# KiCad board PC104_LibreCube_ISA16.kicad_pcb
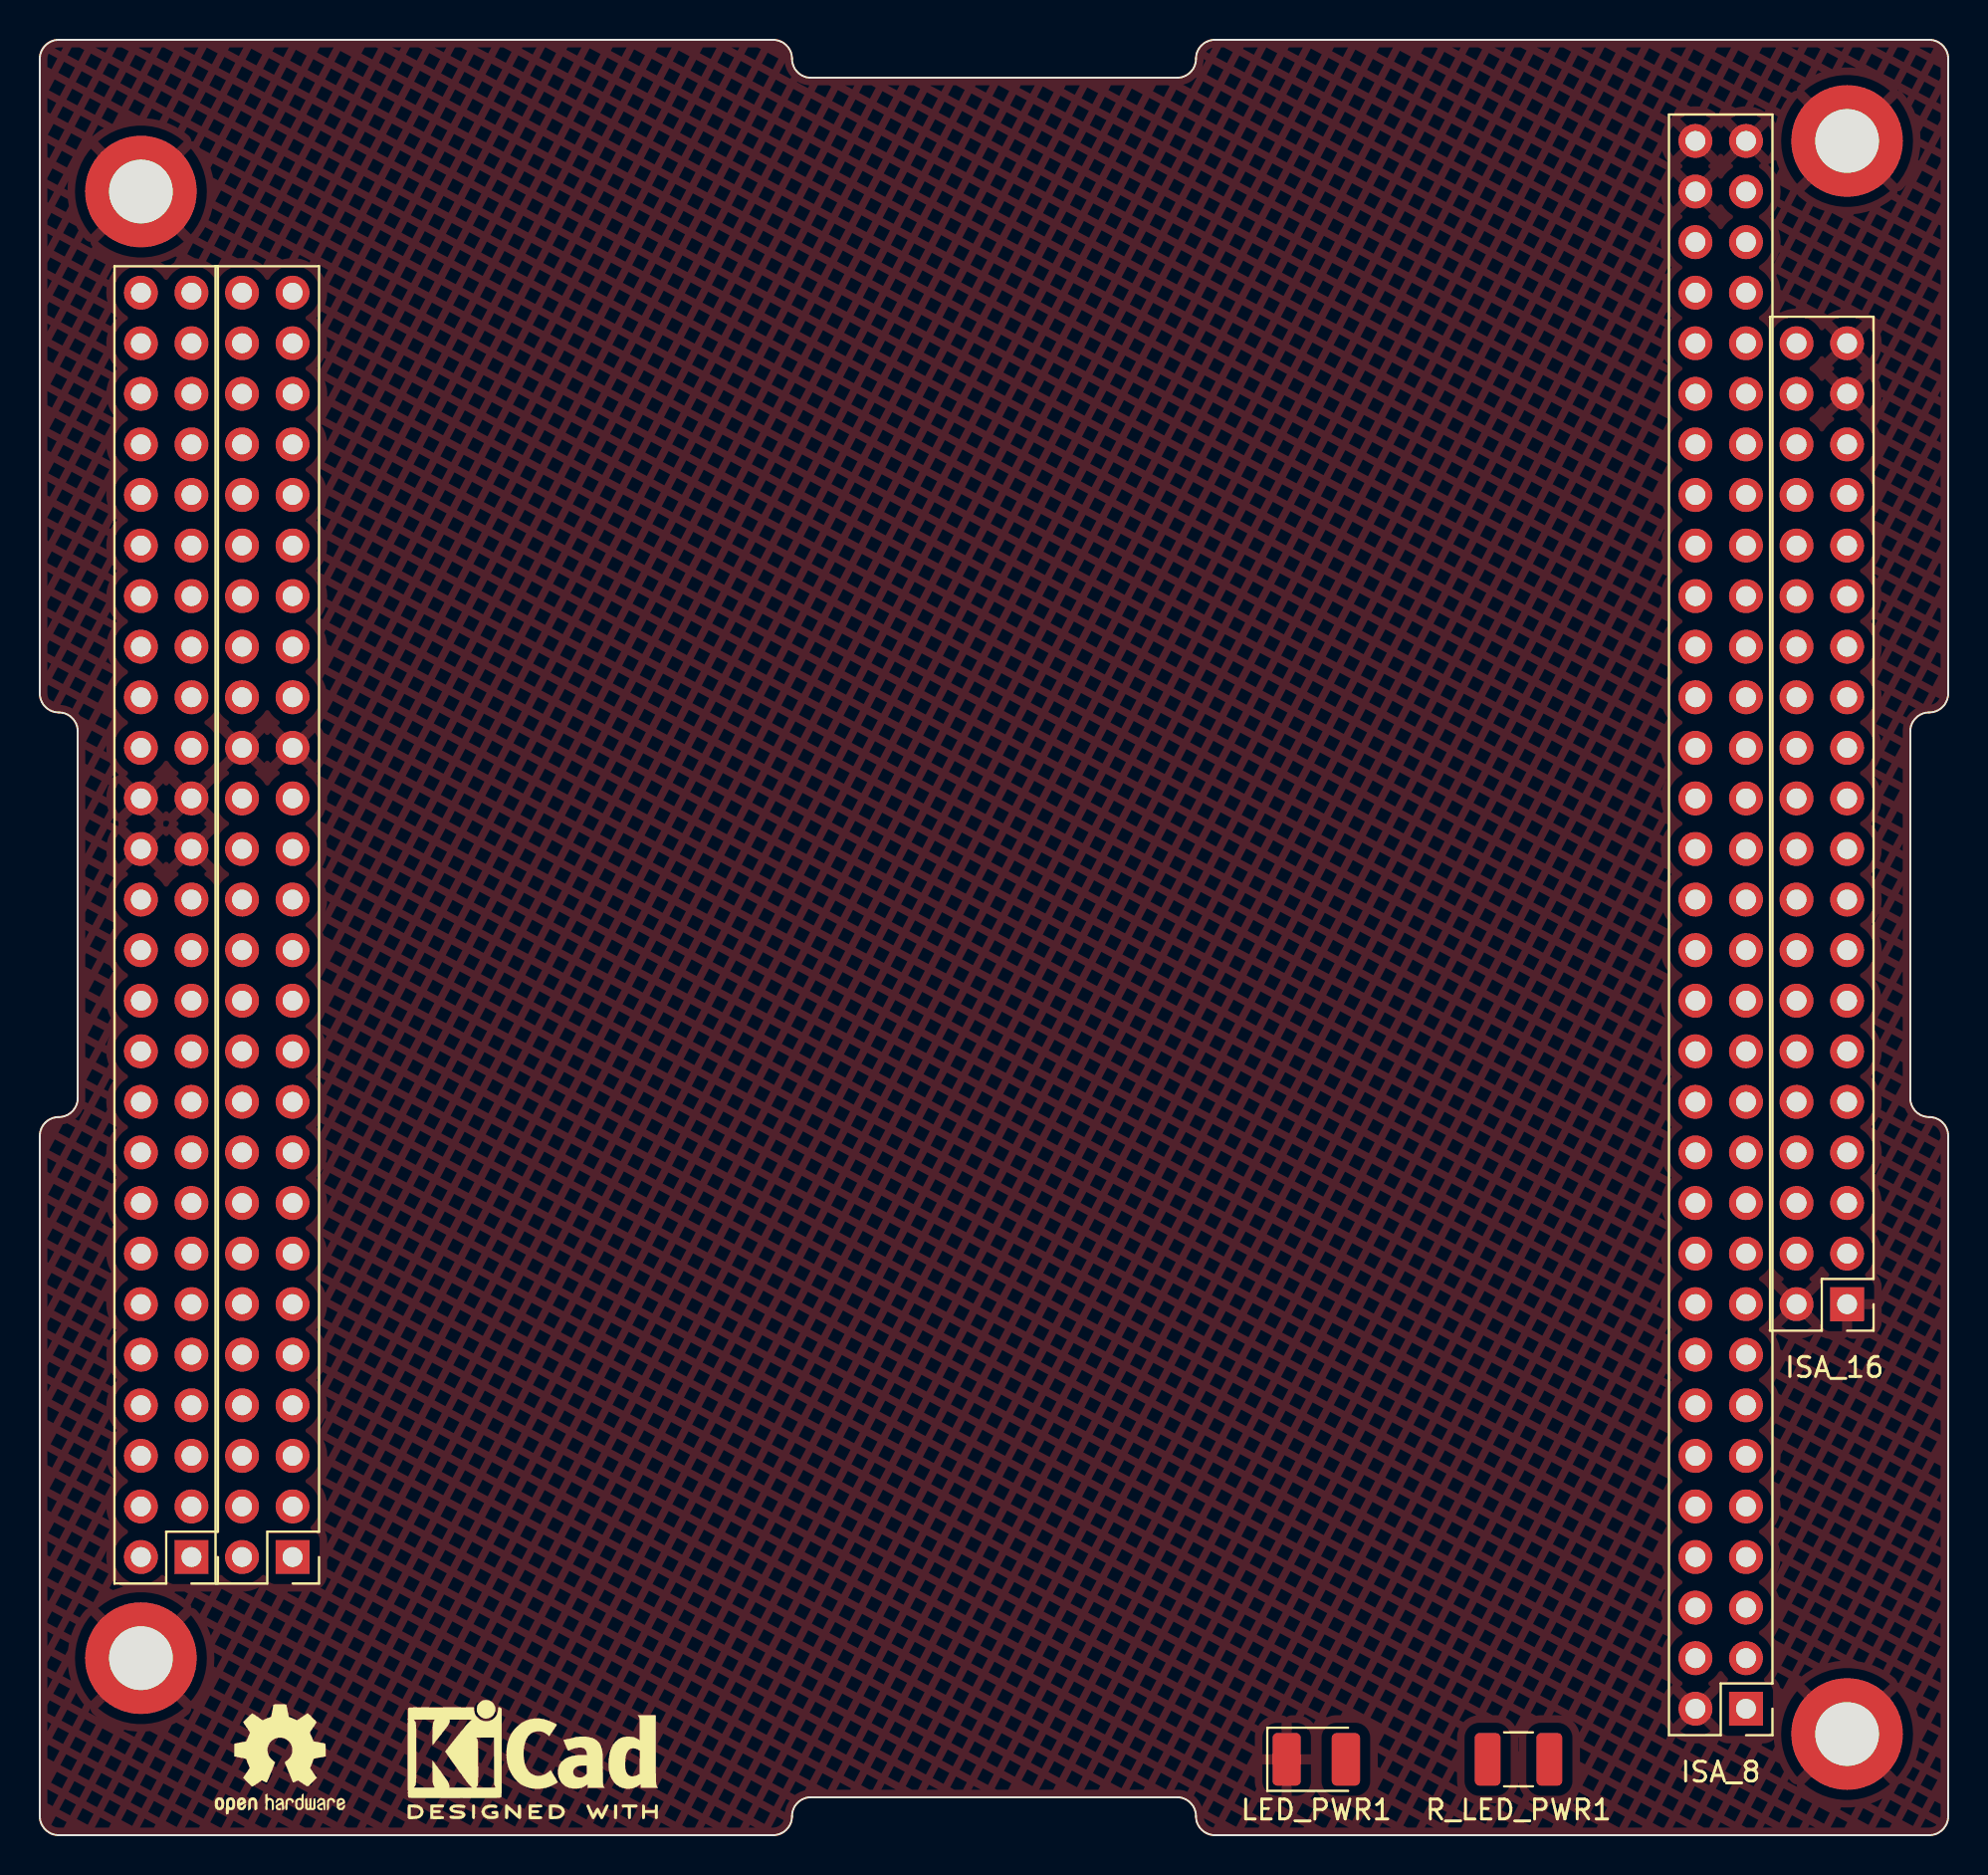
[diagram p0: board, top side]
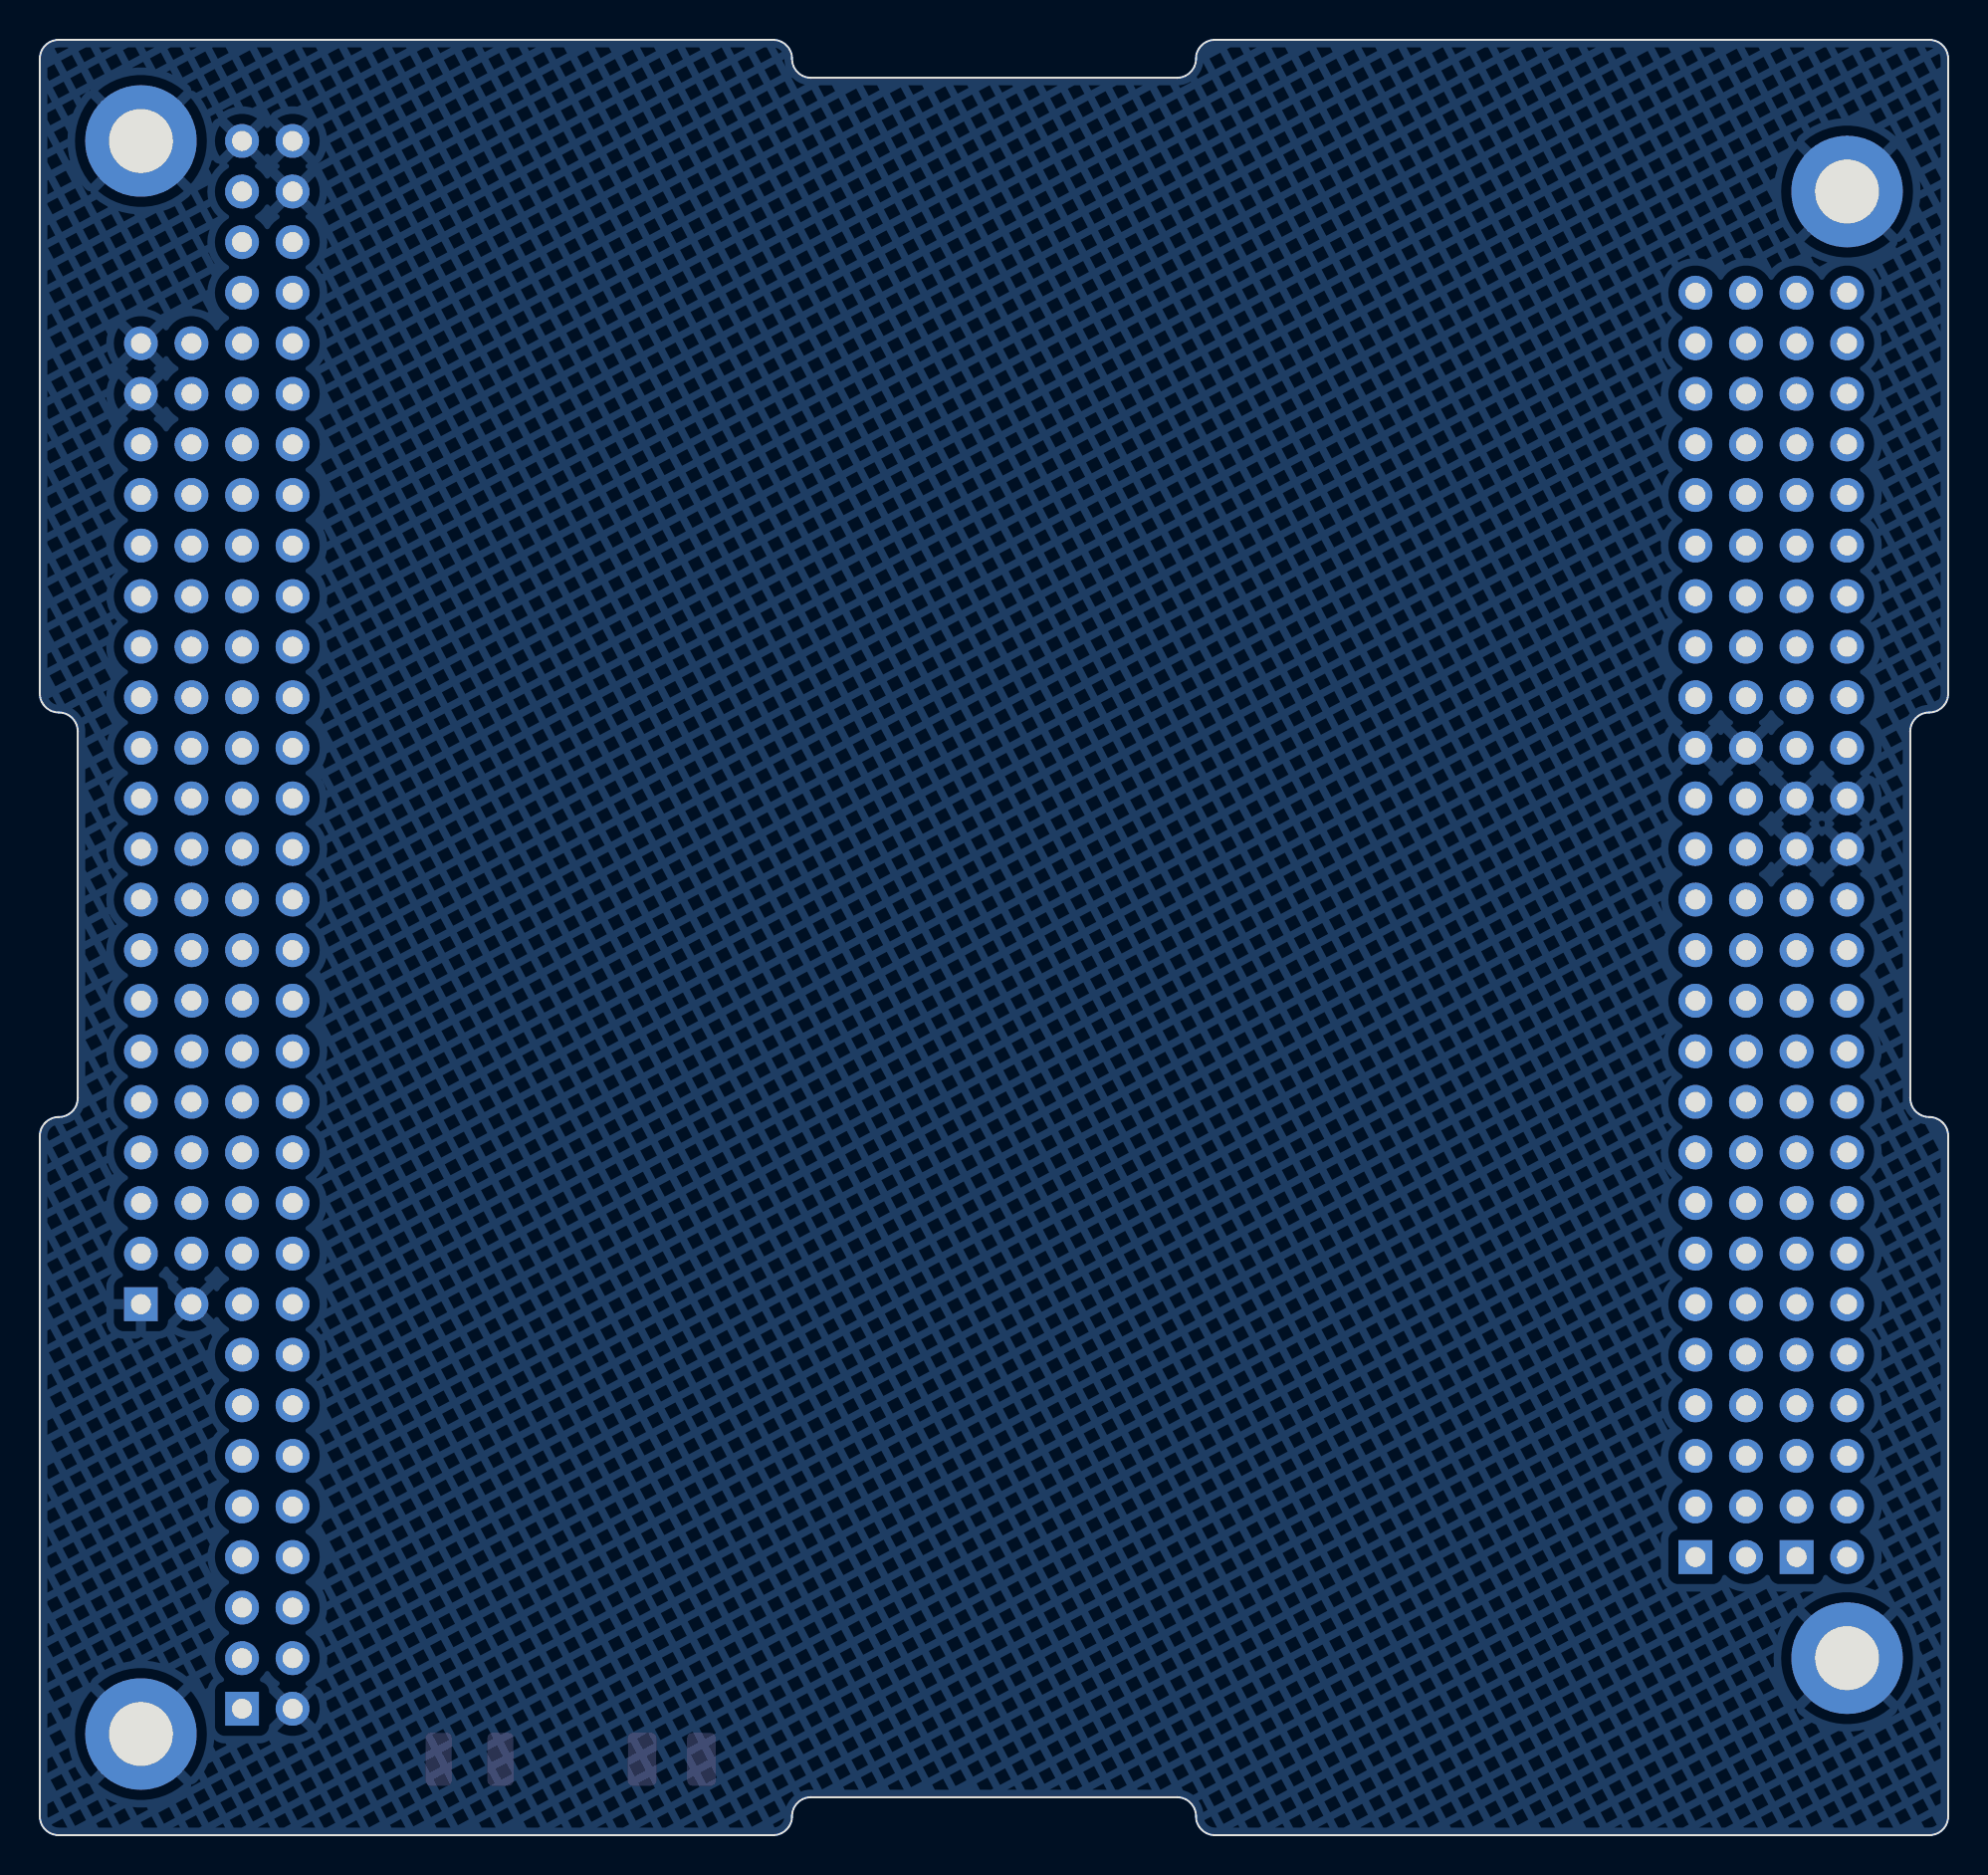
[diagram p1: board, bottom side, seen from below]

Outline 95.88 x 90.17 mm; copper layers: Top, Bottom. Coordinates in mm from the lower left corner of the outline.
Outline path: 0,89.22 arc(0.28,89.89) 0.95,90.17 36.84,90.17 arc(37.52,89.89) 37.8,89.22 arc(38.07,88.54) 38.75,88.27 57.14,88.27 arc(57.81,88.54) 58.09,89.22 arc(58.37,89.89) 59.04,90.17 94.93,90.17 arc(95.61,89.89) 95.88,89.22 95.88,57.34 arc(95.61,56.67) 94.93,56.39 arc(94.26,56.11) 93.98,55.44 93.98,37.02 arc(94.26,36.35) 94.93,36.07 arc(95.61,35.79) 95.88,35.12 95.88,0.95 arc(95.61,0.28) 94.93,0 59.04,0 arc(58.37,0.28) 58.09,0.95 arc(57.81,1.63) 57.14,1.91 38.75,1.91 arc(38.07,1.63) 37.8,0.95 arc(37.52,0.28) 36.84,0 0.95,0 arc(0.28,0.28) 0,0.95 0,35.12 arc(0.28,35.79) 0.95,36.07 arc(1.63,36.35) 1.91,37.02 1.91,55.44 arc(1.63,56.11) 0.95,56.39 arc(0.28,56.67) 0,57.34 0,89.22
Stack: Top 0.035mm / dielectric 1.51mm FR4 er 4.5 / Bottom 0.035mm

## Placement (name value [footprint] x y rotation side)
H1  MountingHole_Pad  [MountingHole_3.2mm_M3_DIN965_Pad]  5.08 8.89 0 top
H2  MountingHole_Pad  [MountingHole_3.2mm_M3_DIN965_Pad]  5.08 82.55 0 top
H3  MountingHole_Pad  [MountingHole_3.2mm_M3_DIN965_Pad]  90.81 5.08 0 top
H4  MountingHole_Pad  [MountingHole_3.2mm_M3_DIN965_Pad]  90.81 85.09 0 top
ISA_8  Conn_02x32_Odd_Even  [PinHeader_2x32_P2.54mm_Vertical]  85.73 6.35 180 top
ISA_16  Conn_02x20_Odd_Even  [PinHeader_2x20_P2.54mm_Vertical]  90.81 26.67 180 top
KiCad0  MountingHole  [KiCad-Logo2_5mm_SilkScreen]  24.77 3.81 0 top
LED_PWR1  LED  [LED_1210_3225Metric_Pad1.42x2.65mm_HandSolder]  64.14 3.81 0 top
LibreCube_H1  Conn_02x26_Odd_Even  [PinHeader_2x26_P2.54mm_Vertical#2]  12.7 13.97 180 top
LibreCube_H2  Conn_02x26_Odd_Even  [PinHeader_2x26_P2.54mm_Vertical]  7.62 13.97 180 top
OpenHW1  MountingHole  [OSHW-Logo2_7.3x6mm_SilkScreen]  12.07 3.81 0 top
R_LED_PWR1  1K  [R_1210_3225Metric_Pad1.30x2.65mm_HandSolder]  74.3 3.81 180 top

## Footprints (pads in the part's own frame, mm; a bottom-side part is the same pattern mirrored in y, then rotated)
LED_1210_3225Metric_Pad1.42x2.65mm_HandSolder
  rrect 1.425x2.65 smd: 1(-1.488,0) 2(1.488,0)
MountingHole_3.2mm_M3_DIN965_Pad
  round 5.6 hole 3.2: 1(0,0)
PinHeader_2x20_P2.54mm_Vertical
  rect 1.7x1.7 hole 1: 1(0,0)
  round 1.7 hole 1: 2(2.54,0) 37(0,-45.72) 39(0,-48.26)
  oval 1.7x1.7 hole 1: 3(0,-2.54) 4(2.54,-2.54) 5(0,-5.08) 6(2.54,-5.08) 7(0,-7.62) 8(2.54,-7.62) 9(0,-10.16) 10(2.54,-10.16) 11(0,-12.7) 12(2.54,-12.7) 13(0,-15.24) 14(2.54,-15.24) 15(0,-17.78) 16(2.54,-17.78) 17(0,-20.32) 18(2.54,-20.32) 19(0,-22.86) 20(2.54,-22.86) 21(0,-25.4) 22(2.54,-25.4) 23(0,-27.94) 24(2.54,-27.94) 25(0,-30.48) 26(2.54,-30.48) 27(0,-33.02) 28(2.54,-33.02) 29(0,-35.56) 30(2.54,-35.56) 31(0,-38.1) 32(2.54,-38.1) 33(0,-40.64) 34(2.54,-40.64) 35(0,-43.18) 36(2.54,-43.18) 38(2.54,-45.72) 40(2.54,-48.26)
PinHeader_2x26_P2.54mm_Vertical
  rect 1.7x1.7 hole 1: 1(0,0)
  oval 1.7x1.7 hole 1: 2(2.54,0) 3(0,-2.54) 4(2.54,-2.54) 5(0,-5.08) 6(2.54,-5.08) 7(0,-7.62) 8(2.54,-7.62) 9(0,-10.16) 10(2.54,-10.16) 11(0,-12.7) 12(2.54,-12.7) 13(0,-15.24) 14(2.54,-15.24) 15(0,-17.78) 16(2.54,-17.78) 17(0,-20.32) 18(2.54,-20.32) 19(0,-22.86) 20(2.54,-22.86) 21(0,-25.4) 22(2.54,-25.4) 23(0,-27.94) 24(2.54,-27.94) 25(0,-30.48) 26(2.54,-30.48) 27(0,-33.02) 28(2.54,-33.02) 33(0,-40.64) 34(2.54,-40.64) 35(0,-43.18) 36(2.54,-43.18) 37(0,-45.72) 38(2.54,-45.72) 39(0,-48.26) 40(2.54,-48.26) 41(0,-50.8) 42(2.54,-50.8) 43(0,-53.34) 44(2.54,-53.34) 45(0,-55.88) 46(2.54,-55.88) 47(0,-58.42) 48(2.54,-58.42) 49(0,-60.96) 50(2.54,-60.96) 51(0,-63.5) 52(2.54,-63.5)
  round 1.7 hole 1: 29(0,-35.56) 30(2.54,-35.56) 31(0,-38.1) 32(2.54,-38.1)
PinHeader_2x26_P2.54mm_Vertical#2
  rect 1.7x1.7 hole 1: 1(0,0)
  oval 1.7x1.7 hole 1: 2(2.54,0) 3(0,-2.54) 4(2.54,-2.54) 5(0,-5.08) 6(2.54,-5.08) 7(0,-7.62) 8(2.54,-7.62) 9(0,-10.16) 10(2.54,-10.16) 11(0,-12.7) 12(2.54,-12.7) 13(0,-15.24) 14(2.54,-15.24) 15(0,-17.78) 16(2.54,-17.78) 17(0,-20.32) 18(2.54,-20.32) 19(0,-22.86) 20(2.54,-22.86) 21(0,-25.4) 22(2.54,-25.4) 23(0,-27.94) 24(2.54,-27.94) 25(0,-30.48) 26(2.54,-30.48) 27(0,-33.02) 28(2.54,-33.02) 29(0,-35.56) 30(2.54,-35.56) 31(0,-38.1) 32(2.54,-38.1) 35(0,-43.18) 36(2.54,-43.18) 37(0,-45.72) 38(2.54,-45.72) 39(0,-48.26) 40(2.54,-48.26) 41(0,-50.8) 42(2.54,-50.8) 43(0,-53.34) 44(2.54,-53.34) 45(0,-55.88) 46(2.54,-55.88) 47(0,-58.42) 48(2.54,-58.42) 49(0,-60.96) 50(2.54,-60.96) 51(0,-63.5) 52(2.54,-63.5)
  round 1.7 hole 1: 33(0,-40.64) 34(2.54,-40.64)
PinHeader_2x32_P2.54mm_Vertical
  rect 1.7x1.7 hole 1: 1(0,0)
  round 1.7 hole 1: 2(2.54,0) 62(2.54,-76.2) 63(0,-78.74) 64(2.54,-78.74)
  oval 1.7x1.7 hole 1: 3(0,-2.54) 4(2.54,-2.54) 5(0,-5.08) 6(2.54,-5.08) 7(0,-7.62) 8(2.54,-7.62) 9(0,-10.16) 10(2.54,-10.16) 11(0,-12.7) 12(2.54,-12.7) 13(0,-15.24) 14(2.54,-15.24) 15(0,-17.78) 16(2.54,-17.78) 17(0,-20.32) 18(2.54,-20.32) 19(0,-22.86) 20(2.54,-22.86) 21(0,-25.4) 22(2.54,-25.4) 23(0,-27.94) 24(2.54,-27.94) 25(0,-30.48) 26(2.54,-30.48) 27(0,-33.02) 28(2.54,-33.02) 29(0,-35.56) 30(2.54,-35.56) 31(0,-38.1) 32(2.54,-38.1) 33(0,-40.64) 34(2.54,-40.64) 35(0,-43.18) 36(2.54,-43.18) 37(0,-45.72) 38(2.54,-45.72) 39(0,-48.26) 40(2.54,-48.26) 41(0,-50.8) 42(2.54,-50.8) 43(0,-53.34) 44(2.54,-53.34) 45(0,-55.88) 46(2.54,-55.88) 47(0,-58.42) 48(2.54,-58.42) 49(0,-60.96) 50(2.54,-60.96) 51(0,-63.5) 52(2.54,-63.5) 53(0,-66.04) 54(2.54,-66.04) 55(0,-68.58) 56(2.54,-68.58) 57(0,-71.12) 58(2.54,-71.12) 59(0,-73.66) 60(2.54,-73.66) 61(0,-76.2)
R_1210_3225Metric_Pad1.30x2.65mm_HandSolder
  rrect 1.3x2.65 smd: 1(-1.55,0) 2(1.55,0)

## Nets
+5V: ISA_8.6 ISA_8.58 ISA_16.33 LibreCube_H2.25 LibreCube_H2.26 R_LED_PWR1.1
+12V: ISA_8.18
-5V: ISA_8.10
-12V: ISA_8.14
GND: H1.1 H2.1 H3.1 H4.1 ISA_8.2 ISA_8.62 ISA_8.63 ISA_8.64 ISA_16.1 ISA_16.2 ISA_16.37 ISA_16.39 LED_PWR1.1 LibreCube_H1.33 LibreCube_H1.34 LibreCube_H2.29 LibreCube_H2.30 LibreCube_H2.31 LibreCube_H2.32
+BATT: LibreCube_H2.45 LibreCube_H2.46
/ADR00: ISA_8.61
/ADR01: ISA_8.59
/ADR02: ISA_8.57
/ADR03: ISA_8.55
/ADR04: ISA_8.53
/ADR05: ISA_8.51
/ADR06: ISA_8.49
/ADR07: ISA_8.47
/ADR08: ISA_8.45
/ADR09: ISA_8.43
/ADR10: ISA_8.41
/ADR11: ISA_8.39
/ADR12: ISA_8.37
/ADR13: ISA_8.35
/ADR14: ISA_8.33
/ADR15: ISA_8.31
/ADR16: ISA_8.29
/ADR17: ISA_8.27
/ADR18: ISA_8.25
/ADR19: ISA_8.23
/AEN: ISA_8.21
/BALE: ISA_8.56
/BCLK: ISA_8.40
/CAN_A_H: LibreCube_H1.3
/CAN_A_L: LibreCube_H1.1
/CAN_B_H: LibreCube_H2.3
/CAN_B_L: LibreCube_H2.1
/CHARGE: LibreCube_H1.31 LibreCube_H1.32
/DATA0: ISA_8.17
/DATA1: ISA_8.15
/DATA2: ISA_8.13
/DATA3: ISA_8.11
/DATA4: ISA_8.9
/DATA5: ISA_8.7
/DATA6: ISA_8.5
/DATA7: ISA_8.3
/DATA08: ISA_16.24
/DATA09: ISA_16.26
/DATA10: ISA_16.28
/DATA11: ISA_16.30
/DATA12: ISA_16.32
/DATA13: ISA_16.34
/DATA14: ISA_16.36
/DATA15: ISA_16.38
/DRQ0: ISA_16.19
/DRQ1: ISA_8.36
/DRQ2: ISA_8.12
/DRQ3: ISA_8.32
/DRQ5: ISA_16.23
/DRQ6: ISA_16.27
/DRQ7: ISA_16.31
/I2C_SCL: LibreCube_H1.43
/I2C_SDA: LibreCube_H1.41
/IOCHRDY: ISA_8.19
/IRQ3: ISA_8.50
/IRQ4: ISA_8.48
/IRQ5: ISA_8.46
/IRQ6: ISA_8.44
/IRQ7: ISA_8.42
/IRQ9: ISA_8.8
/IRQ10: ISA_16.7
/IRQ11: ISA_16.9
/IRQ12: ISA_16.11
/IRQ14: ISA_16.15
/IRQ15: ISA_16.13
/LA17: ISA_16.18
/LA18: ISA_16.16
/LA19: ISA_16.14
/LA20: ISA_16.12
/LA21: ISA_16.10
/LA22: ISA_16.8
/LA23: ISA_16.6
/OSC: ISA_8.60
/RESET: ISA_8.4
/SPI_CIPO: LibreCube_H1.12
/SPI_CLK: LibreCube_H1.11
/SPI_COPI: LibreCube_H1.10
/SPI_CS1: LibreCube_H1.9
/SPI_CS2: LibreCube_H1.7
/TC: ISA_8.54
/~{DACK0}: ISA_16.17
/~{DACK1}: ISA_8.34
/~{DACK2}: ISA_8.52
/~{DACK3}: ISA_8.30
/~{DACK5}: ISA_16.21
/~{DACK6}: ISA_16.25
/~{DACK7}: ISA_16.29
/~{IOCHCK}: ISA_8.1
/~{IOCS16}: ISA_16.5
/~{IOR}: ISA_8.28
/~{IOW}: ISA_8.26
/~{MASTER16}: ISA_16.35
/~{MEMCS16}: ISA_16.3
/~{MEMR}: ISA_16.20
/~{MEMW}: ISA_16.22
/~{REFRESH}: ISA_8.38
/~{SBHE}: ISA_16.4
/~{SMEMR}: ISA_8.24
/~{SMEMW}: ISA_8.22
/~{SRDY}: ISA_8.16
Net-(LED_PWR1-Pad2): LED_PWR1.2 R_LED_PWR1.2

Pads without a net: ISA_8 20; ISA_16 40; LibreCube_H1 2 4 5 6 8 13 14 15 16 17 18 19 20 21 22 23 24 25 26 27 28 29 30 35 36 37 38 39 40 42 44 45 46 47 48 49 50 51 52; LibreCube_H2 2 4 5 6 7 8 9 10 11 12 13 14 15 16 17 18 19 20 21 22 23 24 27 28 33 34 35 36 37 38 39 40 41 42 43 44 47 48 49 50 51 52

## Copper pours and planes (outline as drawn; the poured copper is in the pictures)
GND on Top, Bottom: 121.29,-24.13 -14.6,-24.13 -14.6,109.22 121.29,109.22
